# Altium PCB roach2.PcbDoc (part 2 of 39) (continued)
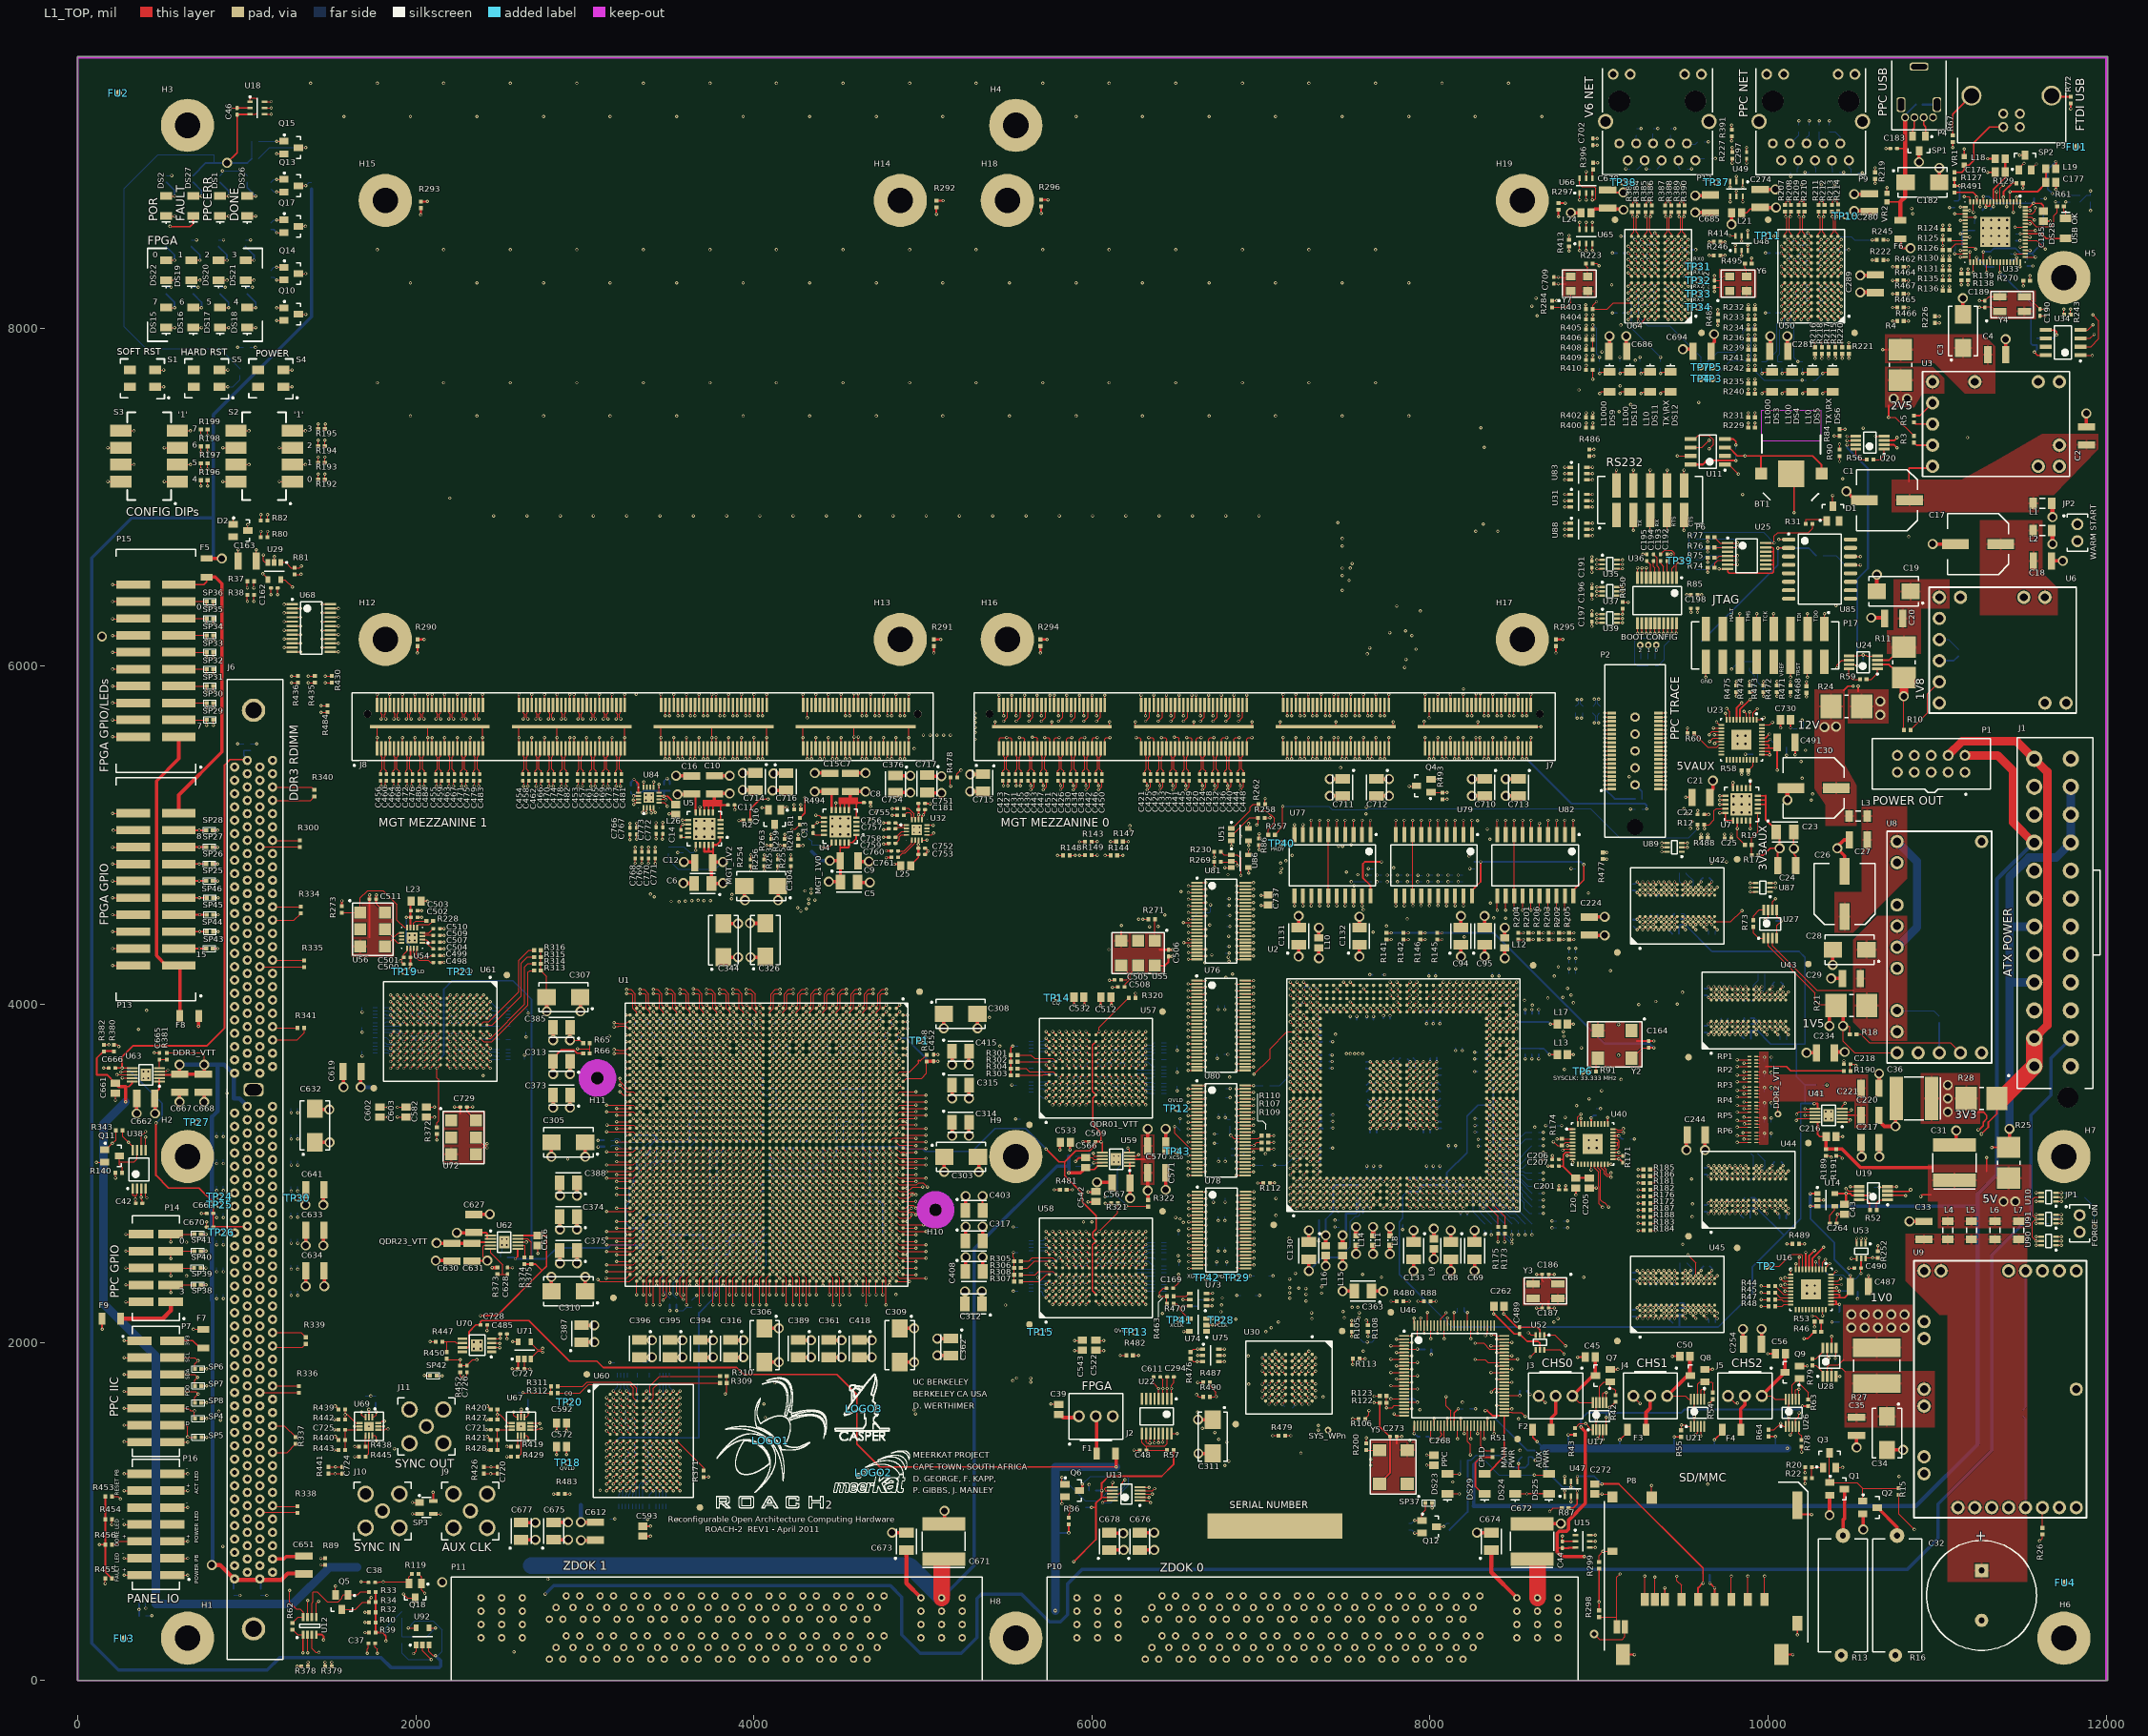
[diagram p0: L1_TOP view]
## Components (designator, comment, footprint, x,y, rotation, side; value= is the part's Value field where it differs from the comment) (continued)
C580 "0.1uF" CAPC1005X60L 2007.87,3956.69 r0 bottom
C581 "0.47uF" CAPC1005X55L 3877.95,3897.64 r0 bottom
C582 "4.7uF" CAPC2012X127L 2062.99,3362.99 r90 top
C583 "0.1uF" CAPC1005X60L 3228.35,1555.12 r270 bottom
C584 "0.1uF" CAPC1005X60L 3464.57,1279.53 r90 bottom
C585 "0.1uF" CAPC1005X60L 3268.7,1318.9 r90 bottom
C586 "0.1uF" CAPC1005X60L 3228.35,1279.53 r90 bottom
C587 "0.1uF" CAPC1005X60L 3404.53,1418.31 r0 bottom
C588 "0.1uF" CAPC1005X60L 3405.51,1456.69 r0 bottom
C589 "0.1uF" CAPC1005X60L 3464.57,1555.12 r270 bottom
C590 "0.1uF" CAPC1005X60L 3267.72,1515.75 r270 bottom
C591 "0.47uF" CAPC1005X55L 3542.31,3720.47 r270 bottom
C592 "4.7uF" CAPC2012X127L 2862.99,1522.99 r0 top
C593 "4.7uF" CAPC2012X127L 3342.99,882.99 r270 top
C594 "0.1uF" CAPC1005X60L 2066.93,3858.27 r90 bottom
C595 "0.1uF" CAPC1005X60L 2244.09,3799.21 r180 bottom
C596 "0.1uF" CAPC1005X60L 2263.78,3858.27 r90 bottom
C597 "0.1uF" CAPC1005X60L 2224.41,3858.27 r90 bottom
C598 "0.1uF" CAPC1005X60L 2086.61,3799.21 r0 bottom
C599 "0.1uF" CAPC1005X60L 2008.86,3798.23 r0 bottom
C600 "0.1uF" CAPC1005X60L 2106.3,3858.27 r90 bottom
C601 "0.47uF" CAPC1005X55L 3620.05,3718.97 r270 bottom
C602 "4.7uF" CAPC2012X127L 1787.99,3362.99 r90 top
C603 "4.7uF" CAPC2012X127L 1942.99,3362.99 r90 top
C604 "0.1uF" CAPC1005X60L 3386.81,1358.27 r90 bottom
C605 "0.1uF" CAPC1005X60L 3385.83,1278.54 r90 bottom
C606 "0.1uF" CAPC1005X60L 3326.77,1338.58 r180 bottom
C607 "0.1uF" CAPC1005X60L 3326.77,1376.97 r180 bottom
C608 "0.1uF" CAPC1005X60L 3385.83,1515.75 r270 bottom
C609 "0.1uF" CAPC1005X60L 3326.77,1496.06 r180 bottom
C610 "0.1uF" CAPC1005X60L 3326.77,1535.43 r180 bottom
C611 "1000pF" CAPC1005X55L 6385,1795 r0 top
C612 "10uF" CAPC3225X200L 3062.99,882.99 r90 top
C613 "0.47uF" CAPC1005X55L 3532.99,1862.99 r270 bottom
C614 "0.47uF" CAPC1005X55L 3172.99,1862.99 r270 bottom
C615 "0.47uF" CAPC1005X55L 3342.99,972.99 r90 bottom
C616 "0.47uF" CAPC1005X55L 3342.99,1862.99 r270 bottom
C617 "0.47uF" CAPC1005X55L 3522.99,972.99 r90 bottom
C618 "0.47uF" CAPC1005X55L 3149.55,975.18 r90 bottom
C619 "10uF" CAPC3225X200L 1622.99,3602.99 r0 top
C620 "0.47uF" CAPC1005X55L 1702.99,3722.99 r0 bottom
C621 "0.47uF" CAPC1005X55L 1702.99,3862.99 r0 bottom
C622 "0.47uF" CAPC1005X55L 1702.99,3982.99 r0 bottom
C623 "0.47uF" CAPC1005X55L 2622.99,3672.99 r180 bottom
C624 "0.47uF" CAPC1005X55L 2632.99,3832.99 r180 bottom
C625 "0.47uF" CAPC1005X55L 2632.99,3972.99 r180 bottom
C626 "4.7uF" CAPC2012X127L 2722.99,2602.99 r90 top
C627 "10uF" CAPC3225X200L 2342.99,2702.99 r270 top
C628 "1000pF" CAPC1005X55L 2542.99,2422.99 r270 top
C629 "0.1uF" CAPC1005X60L 2522.99,2502.99 r0 bottom
C630 "10uF" CAPC3225X200L 2212.99,2532.99 r90 top
C631 "10uF" CAPC3225X200L 2332.99,2532.99 r90 top
C632 "330uF" CAPMP7343X280L 1402.99,3282.99 r90 top
C633 "10uF" CAPC3225X200L 1402.99,2662.99 r180 top
C634 "10uF" CAPC3225X200L 1402.99,2422.99 r180 top
C635 "0.1uF" CAPC1005X60L 842.99,2442.99 r0 bottom
C636 "0.1uF" CAPC1005X60L 842.99,2282.99 r0 bottom
C637 "0.1uF" CAPC1005X60L 842.99,3082.99 r0 bottom
C638 "0.1uF" CAPC1005X60L 842.99,2922.99 r0 bottom
C639 "0.1uF" CAPC1005X60L 842.99,3242.99 r0 bottom
C640 "0.1uF" CAPC1005X60L 842.99,2602.99 r0 bottom
C641 "10uF" CAPC3225X200L 1402.99,2902.99 r180 top
C642 "0.1uF" CAPC1005X60L 842.99,2762.99 r0 bottom
C643 "0.1uF" CAPC1005X60L 1282.99,3382.99 r180 bottom
C644 "0.1uF" CAPC1005X60L 1282.99,3228.71 r180 bottom
C645 "0.1uF" CAPC1005X60L 1282.99,3074.42 r180 bottom
C646 "0.1uF" CAPC1005X60L 1282.99,2920.13 r180 bottom
C647 "0.1uF" CAPC1005X60L 1282.99,2765.85 r180 bottom
C648 "0.1uF" CAPC1005X60L 1282.99,2611.56 r180 bottom
C649 "0.1uF" CAPC1005X60L 1282.99,2457.28 r180 bottom
C650 "0.1uF" CAPC1005X60L 1282.99,2302.99 r180 bottom
C651 "10uF" CAPC3225X200L 1337.99,682.99 r270 top
C652 "0.1uF" CAPC1005X60L 902.99,3442.99 r0 bottom
C653 "0.1uF" CAPC1005X60L 902.99,3502.99 r0 bottom
C654 "0.1uF" CAPC1005X60L 922.99,522.99 r90 bottom
C655 "0.1uF" CAPC1005X60L 1082.99,522.99 r90 bottom
C661 "4.7uF" CAPC2012X127L 222.99,3502.99 r90 top
C662 "10uF" CAPC3225X200L 402.99,3442.99 r0 top
C663 "0.01uF" CAPC1005X55L 1022.99,5521.34 r270 bottom
C664 "0.1uF" CAPC1005X60L 982.99,5521.34 r270 bottom
C665 "1000pF" CAPC1005X55L 482.99,3692.99 r270 top
C666 "0.1uF" CAPC1005X60L 202.99,3622.99 r0 top
C667 "10uF" CAPC3225X200L 602.99,3532.99 r90 top
C668 "10uF" CAPC3225X200L 742.99,3532.99 r90 top
C669 "0.01uF" CAPC1005X55L 782.99,2762.99 r0 top
C670 "0.1uF" CAPC1005X60L 782.99,2682.99 r0 top
C671 "330uF" CAPMP7263X380L 5122.99,822.99 r90 top
C672 "330uF" CAPMP7263X380L 8602.99,822.99 r90 top
C673 "100uF" CAPMP3528X210L 4902.99,822.99 r90 top
C674 "100uF" CAPMP3528X210L 8362.99,822.99 r90 top
C675 "100uF" CAPMP3528X210L 2815.99,883.99 r90 top
C676 "100uF" CAPMP3528X210L 6282.99,822.99 r90 top
C677 "100uF" CAPMP3528X210L 2622.99,882.99 r90 top
C678 "100uF" CAPMP3528X210L 6102.99,822.99 r90 top
C679 "10uF" CAPC3225X200L 9050.99,8763.99 r270 top
C680 "1000pF" CAPC1005X55L 9173.23,8544.29 r0 bottom
C681 "0.1uF" CAPC1005X60L 9389.76,8484.25 r90 bottom
C682 "0.1uF" CAPC1005X60L 9429.13,8484.25 r90 bottom
C683 "0.1uF" CAPC1005X60L 9251.97,8503.94 r180 bottom
C684 "0.1uF" CAPC1005X60L 9311.02,8523.62 r90 bottom
C685 "10uF" CAPC3225X200L 9658.99,8734.99 r270 top
C686 "10uF" CAPC3225X200L 9110.99,7862.99 r0 top
C687 "0.1uF" CAPC1005X60L 9122.05,8090.55 r0 bottom
C688 "0.1uF" CAPC1005X60L 9291.34,8267.72 r180 bottom
C689 "0.1uF" CAPC1005X60L 9527.56,8464.57 r180 bottom
C690 "0.1uF" CAPC1005X60L 9125.98,8444.88 r0 bottom
C691 "0.1uF" CAPC1005X60L 9251.97,8425.2 r180 bottom
C692 "0.1uF" CAPC1005X60L 9389.76,8129.92 r270 bottom
C693 "0.1uF" CAPC1005X60L 9448.82,8149.61 r0 bottom
C694 "10uF" CAPC3225X200L 9608.99,7862.99 r180 top
C695 "0.1uF" CAPC1005X60L 9291.34,8228.35 r180 bottom
C696 "0.1uF" CAPC1005X60L 9409.45,8385.83 r0 bottom
C697 "0.1uF" CAPC1005X60L 9409.45,8228.35 r0 bottom
C698 "0.1uF" CAPC1005X60L 9291.34,8188.98 r180 bottom
C699 "0.1uF" CAPC1005X60L 9291.34,8149.61 r180 bottom
C700 "0.1uF" CAPC1005X60L 9291.34,8385.83 r180 bottom
C702 "0.1uF" CAPC1005X60L 8962.99,9102.99 r270 top
C703 "0.01uF" CAPC1005X55L 8962.99,5742.99 r90 bottom
C704 "0.01uF" CAPC1005X55L 9002.99,5742.99 r90 bottom
C705 "0.01uF" CAPC1005X55L 9212.99,8799.99 r90 bottom
C706 "0.01uF" CAPC1005X55L 9292.99,8801.99 r90 bottom
C707 "0.01uF" CAPC1005X55L 9408.99,8801.99 r90 bottom
C708 "0.01uF" CAPC1005X55L 9488.99,8801.99 r90 bottom
C709 "0.1uF" CAPC1005X60L 8732.99,8282.99 r90 top
C710 "47uF" CAPMP3528X120L 8322.99,5282.99 r270 top
C711 "47uF" CAPMP3528X120L 7482.99,5282.99 r270 top
C712 "47uF" CAPMP3528X120L 7682.99,5282.99 r270 top
C713 "47uF" CAPMP3528X120L 8522.99,5282.99 r270 top
C714 "47uF" CAPMP3528X120L 4008.99,5317.99 r270 top
C715 "47uF" CAPMP3528X120L 5354.99,5309.99 r270 top
C716 "47uF" CAPMP3528X120L 4190.99,5315.99 r270 top
C717 "47uF" CAPMP3528X120L 5024.99,5304.99 r270 top
C718 "0.01uF" CAPC1005X55L 2602.99,1682.99 r270 bottom
C719 "0.01uF" CAPC1005X55L 2662.99,1682.99 r270 bottom
C720 "0.01uF" CAPC1005X55L 2482.99,1242.99 r270 top
C721 "0.1uF" CAPC1005X60L 2462.99,1482.99 r0 top
C722 "0.01uF" CAPC1005X55L 1702.99,1662.99 r270 bottom
C723 "0.01uF" CAPC1005X55L 1762.99,1662.99 r270 bottom
C724 "0.01uF" CAPC1005X55L 1562.99,1242.99 r270 top
C725 "0.1uF" CAPC1005X60L 1562.99,1482.99 r0 top
C726 "22pF" CAPC1005X55L 2302.99,1842.99 r90 top
C727 "0.1uF" CAPC1005X60L 2622.99,1842.99 r180 top
C728 "0.1uF" CAPC1005X60L 2402.99,2102.99 r180 top
C729 "0.1uF" CAPC1005X60L 2282.99,3392.99 r0 top
C730 "4.7uF" CAPC2012X127L 10102.99,5682.99 r0 top
C731 "0.1uF" CAPC1005X60L 10190,5630 r180 bottom
C732 "0.1uF" CAPC1005X60L 7662.99,4822.99 r90 bottom
C733 "4.7uF" CAPC2012X127L 6923.99,2278.99 r0 bottom
C734 "0.1uF" CAPC1005X60L 6766.65,2744.24 r180 bottom
C735 "4.7uF" CAPC2012X127L 7003.94,2393.7 r180 bottom
C736 "0.1uF" CAPC1005X60L 6766.65,2564.24 r180 bottom
C737 "4.7uF" CAPC2012X127L 7043.31,4618.11 r90 top
C738 "0.1uF" CAPC1005X60L 6766.55,3992.99 r0 bottom
C739 "4.7uF" CAPC2012X127L 6769.89,3477.09 r90 bottom
C740 "0.1uF" CAPC1005X60L 6760.39,3703.99 r180 bottom
C741 "0.1uF" CAPC1005X60L 8262.99,4822.99 r90 bottom
C742 "4.7uF" CAPC2012X127L 6746.72,2870.14 r0 bottom
C743 "0.1uF" CAPC1005X60L 6788.92,4605.54 r270 bottom
C744 "0.1uF" CAPC1005X60L 8862.99,4822.99 r90 bottom
C745 "4.7uF" CAPC2012X127L 6770.35,2433.13 r0 bottom
C746 "0.1uF" CAPC1005X60L 6789.07,4324.45 r270 bottom
C747 "4.7uF" CAPC2012X127L 6772.99,4493.99 r90 bottom
C748 "0.1uF" CAPC1005X60L 6768.55,3354.01 r0 bottom
C749 "4.7uF" CAPC2012X127L 6767.25,3201.88 r90 bottom
C750 "0.1uF" CAPC1005X60L 6768.55,3094.01 r180 bottom
C751 "1000pF" CAPC1005X55L 4992.99,5187.99 r180 top
C752 "0.1uF" CAPC1005X60L 4992.99,4922.99 r180 top
C753 "1000pF" CAPC1005X55L 4992.99,4887.99 r180 top
C754 "0.01uF" CAPC1005X55L 4867.99,5157.99 r180 top
C755 "0.01uF" CAPC1005X55L 4867.99,5117.99 r180 top
C756 "0.01uF" CAPC1005X55L 4817.99,5072.99 r180 top
C757 "0.01uF" CAPC1005X55L 4817.99,5037.99 r180 top
C758 "0.01uF" CAPC1005X55L 4817.99,4987.99 r180 top
C759 "0.01uF" CAPC1005X55L 4817.99,4952.99 r180 top
C760 "0.01uF" CAPC1005X55L 4832.99,4907.99 r180 top
C761 "0.01uF" CAPC1005X55L 4832.99,4869.99 r180 top
C762 "0.1uF" CAPC1005X60L 3467.99,5282.99 r270 bottom
C763 "1000pF" CAPC1005X55L 3501.99,5282.99 r270 bottom
C764 "0.1uF" CAPC1005X60L 3307.99,5277.99 r270 bottom
C765 "1000pF" CAPC1005X55L 3272.99,5277.99 r270 bottom
C766 "0.01uF" CAPC1005X55L 3266.99,5024.99 r270 top
C767 "0.01uF" CAPC1005X55L 3306.99,5024.99 r270 top
C768 "0.01uF" CAPC1005X55L 3297.99,4882.99 r270 top
C769 "0.01uF" CAPC1005X55L 3337.99,4882.99 r270 top
C770 "0.01uF" CAPC1005X55L 3376.99,4882.99 r270 top
C771 "0.01uF" CAPC1005X55L 3416.99,4882.99 r270 top
C772 "0.01uF" CAPC1005X55L 3460.99,5027.99 r270 top
C773 "0.01uF" CAPC1005X55L 3420.99,5027.99 r270 top
C774 "0.1uF" CAPC1005X60L 6002.99,1122.99 r0 bottom
C775 "0.1uF" CAPC1005X60L 9809.21,7262.99 r270 bottom
C776 "0.1uF" CAPC1005X60L 10304.65,6654.8 r180 bottom
C777 "0.1uF" CAPC1005X60L 8952.99,1562.99 r90 bottom
C778 "0.1uF" CAPC1005X60L 9537.99,1582.99 r90 bottom
C779 "0.1uF" CAPC1005X60L 10092.99,1582.99 r90 bottom
D1 "BAS21" SOT95P245X110-3N 10382.99,6902.99 r90 top
D2 "BAS21" SOT95P245X110-3N 962.99,6802.99 r0 top
DS1 "SML-LX1206IC-TR" LEDC3216X120N 842.99,8722.99 r90 top
DS2 "SML-LX1206IC-TR" LEDC3216X120N 522.99,8722.99 r90 top
DS3 "SML-LX1206GC-TR" LEDC3216X120N 10022.99,7682.99 r270 top
DS4 "SML-LX1206GC-TR" LEDC3216X120N 10142.99,7682.99 r270 top
DS5 "SML-LX1206GC-TR" LEDC3216X120N 10262.99,7682.99 r270 top
DS6 "SML-LX1206GC-TR" LEDC3216X120N 10382.99,7682.99 r270 top
DS9 "SML-LX1206GC-TR" LEDC3216X120N 9062.99,7682.99 r270 top
DS10 "SML-LX1206GC-TR" LEDC3216X120N 9182.99,7682.99 r270 top
DS11 "SML-LX1206GC-TR" LEDC3216X120N 9302.99,7682.99 r270 top
DS12 "SML-LX1206GC-TR" LEDC3216X120N 9422.99,7682.99 r270 top
DS15 "SML-LX1206GC-TR" LEDC3216X120N 522.99,8062.99 r90 top
DS16 "SML-LX1206GC-TR" LEDC3216X120N 682.99,8062.99 r90 top
DS17 "SML-LX1206GC-TR" LEDC3216X120N 842.99,8062.99 r90 top
DS18 "SML-LX1206GC-TR" LEDC3216X120N 1002.99,8062.99 r90 top
DS19 "SML-LX1206GC-TR" LEDC3216X120N 672.99,8342.99 r90 top
DS20 "SML-LX1206GC-TR" LEDC3216X120N 832.99,8342.99 r90 top
DS21 "SML-LX1206GC-TR" LEDC3216X120N 992.99,8342.99 r90 top
DS22 "SML-LX1206GC-TR" LEDC3216X120N 522.99,8342.99 r90 top
DS23 "SML-LX1206GC-TR" LEDC3216X120N 8102.99,1162.99 r90 top
DS24 "SML-LX1206GC-TR" LEDC3216X120N 8502.99,1162.99 r90 top
DS25 "SML-LX1206GC-TR" LEDC3216X120N 8702.99,1162.99 r90 top
DS26 "SML-LX1206IC-TR" LEDC3216X120N 1002.99,8722.99 r90 top
DS27 "SML-LX1206IC-TR" LEDC3216X120N 682.99,8722.99 r90 top
DS28 "SML-LX1206IC-TR" LEDC3216X120N 11760.41,8590 r270 top
DS29 "SML-LX1206GC-TR" LEDC3216X120N 8322.99,1162.99 r90 top
F1 "1206L050-C" FUSMC3215X145 6082.99,1342.99 r180 top
F2 "1206L050-C" FUSMC3215X145 8662.99,1482.99 r0 top
F3 "1206L050-C" FUSMC3215X145 9222.99,1482.99 r0 top
F4 "1206L050-C" FUSMC3215X145 9782.99,1482.99 r0 top
F5 "1206L050-C" FUSMC3215X145 762.99,6582.99 r270 top
F6 "1206L050-C" FUSMC3215X145 10782.99,8582.99 r270 top
F7 "1206L050-C" FUSMC3215X145 742.99,2022.68 r90 top
F8 "1206L050-C" FUSMC3215X145 660,3930 r180 top
F9 "1206L050-C" FUSMC3215X145 200,2140 r180 top
FU1 "FIDUCIAL" FIDUCIAL_1MM 11826.49,9072.49 r0 top
FU2 "FIDUCIAL" FIDUCIAL_1MM 241.99,9390.99 r90 top
FU3 "FIDUCIAL" FIDUCIAL_1MM 275.99,246.99 r90 top
FU4 "FIDUCIAL" FIDUCIAL_1MM 11757.99,576.99 r90 top
H1 "MH_ATX" MH_ATX 650,250 r0 top locked
H2 "MH_ATX" MH_ATX 650,3100 r0 top locked
H3 "MH_ATX" MH_ATX 650,9200 r0 top locked
H4 "MH_ATX" MH_ATX 5550,9200 r0 top locked
H5 "MH_ATX" MH_ATX 11750,8300 r0 top locked
H6 "MH_ATX" MH_ATX 11750,250 r0 top locked
H7 "MH_ATX" MH_ATX 11750,3100 r0 top locked
H8 "MH_ATX" MH_ATX 5550,250 r0 top locked
H9 "MH_ATX" MH_ATX 5550,3100 r0 top locked
H10 "MH_NC" MH_FANATX 5074.8,2783.86 r0 top locked
H11 "MH_NC" MH_FANATX 3074.8,3563.39 r0 top locked
H12 "MH_ATX" MH_ATX 1819.76,6158.74 r0 top
H13 "MH_ATX" MH_ATX 4866.22,6158.74 r0 top
H14 "MH_ATX" MH_ATX 4866.22,8755.98 r0 top
H15 "MH_ATX" MH_ATX 1819.76,8755.98 r0 top
H16 "MH_ATX" MH_ATX 5499.76,6158.74 r0 top
H17 "MH_ATX" MH_ATX 8546.22,6158.74 r0 top
H18 "MH_ATX" MH_ATX 5499.76,8755.98 r0 top
H19 "MH_ATX" MH_ATX 8546.22,8755.98 r0 top
J1 "0442060007" MOLEX_0442060007 11682.99,4542.99 r90 top locked
J2 "0022232031" MOLEX_0022232031 6022.99,1562.99 r0 top
J3 "0022232031" MOLEX_0022232031 8742.99,1682.99 r180 top locked
J4 "0022232031" MOLEX_0022232031 9302.99,1682.99 r180 top
J5 "0022232031" MOLEX_0022232031 9862.99,1682.99 r180 top
J6 "1932000-1" TYCO_1932000-1 1002.99,5442.99 r270 top locked
J7 "QMSS-064-06_75-L-D-A-DP" SAMTEC_QMSS-064-06_75-L-D-A-DP 7022.99,5642.99 r0 top locked
J8 "QMSS-064-06_75-L-D-A-DP" SAMTEC_QMSS-064-06_75-L-D-A-DP 3342.99,5642.99 r0 top locked
J9 "132136" AMPHENOL_132134 2322.99,1002.99 r0 top locked
J10 "132136" AMPHENOL_132134 1802.99,1002.99 r0 top locked
J11 "132136" AMPHENOL_132134 2062.99,1502.99 r0 top
JP1 "0022032021" MOLEX_0022032021 11842.99,2702.99 r270 top
JP2 "0022032021" MOLEX_0022032021 11830,6790 r270 top
L1 "120R" INDC3216X130L 11622.99,6962.99 r180 top
L2 "120R" INDC3216X130L 11622.99,6802.99 r180 top
L3 "120R" INDC3216X130L 10532.99,5112.99 r0 top
L4 "120R" INDC3216X130L 11062.99,2662.99 r270 top
L5 "120R" INDC3216X130L 11202.99,2662.99 r270 top
L6 "120R" INDC3216X130L 11342.99,2662.99 r270 top
L7 "120R" INDC3216X130L 11482.99,2662.99 r270 top
L8 "180R" INDC1608X130L 7762.99,2602.99 r90 top
L9 "600R" INDC2012X130L 8022.99,2582.99 r90 top
L10 "600R" INDC2012X130L 7342.99,4362.99 r270 top
L11 "180R" INDC1608X130L 7662.99,2602.99 r90 top
L12 "600R" INDC2012X130L 8442.99,4362.99 r270 top
L13 "600R" INDC2012X130L 8782.99,3702.99 r0 top
L14 "180R" INDC1608X130L 7562.99,2602.99 r90 top
L15 "600R" INDC2012X130L 7482.99,2542.99 r90 top
L16 "600R" INDC2012X130L 7382.99,2542.99 r270 top
L17 "600R" INDC2012X130L 8782.99,3882.99 r180 top
L18 "600R" INDC2012X130L 11372.99,9002.68 r0 top
L19 "600R" INDC2012X130L 11672.99,8943.31 r180 top
L20 "600R" INDC2012X130L 8862.99,2942.99 r90 top
L21 "600R" INDC2012X130L 9812.99,8682.99 r0 top
L23 "600R" INDC2012X130L 2002.99,4611.31 r180 top
L24 "600R" INDC2012X130L 8922.99,8682.99 r0 top
L25 "600R" INDC2012X130L 4897.99,4818.99 r180 top
L26 "600R" INDC2012X130L 3538.99,5151.99 r270 top
LOGO1 "ROACH 2 Logo" ROACH2_LOGO 4097.99,1417.99 r0 top locked
LOGO2 "MeerKAT Logo" MEERKAT_LOGO 4707.99,1227.99 r0 top locked
LOGO3 "CASPER Logo" CASPER_LOGO 4652.99,1607.99 r0 top locked
P1 "8510-4500PL" 3M_8510-4500PL 10964.88,5422.99 r0 top locked
P2 "5767054-1" TYCO_5767054-1 9212.99,5498.99 r270 top locked
P3 "67068-8001" MOLEX_67068-8001 11440,9230 r180 top locked
P4 "USB_TYPEA_TYCO" MOLEX_0894858001 10892.99,9322.99 r180 top
P6 "015912100" MOLEX_0015912100 9302.99,6982.99 r0 top locked
P7 "TSM-107-01-TM-DV-P" SAMTEC_TSM-107-01-TM-DV-P 462.99,1710 r270 top locked
P8 "5035000991" MOLEX_5035000991 9635,480 r180 top locked
P9 "HFJ11-1G02E-L55" HALO_HFJ11-1G02E-L55 10252.99,9342.99 r180 top locked
P10 "6367550-5" TYCO_6367550-5 7304.96,362.2 r0 top locked
P11 "6367550-5" TYCO_6367550-5 3779.96,362.2 r0 top locked
P12 "HFJ11-1G02E-L55" HALO_HFJ11-1G02E-L55 9344.99,9342.99 r180 top
P13 "N2520-6V0C-RB-WE" 3M_N2520-6V0C-RB-WE 462.99,4680 r90 top
P14 "015912100" MOLEX_0015912100 462.99,2440 r90 top
P15 "N2520-6V0C-RB-WE" 3M_N2520-6V0C-RB-WE 462.99,6032.99 r90 top locked
P16 "TSM-107-01-TM-DV-P" SAMTEC_TSM-107-01-TM-DV-P 462.99,922.99 r90 top locked
P17 "TSM-108-01-TM-DV-P" SAMTEC_TSM-108-01-TM-DV-P 9982.99,6122.99 r180 top locked
Q1 "NDS331N" SOT95P245X110-3N 10407.99,1132.99 r0 top
Q2 "NDS331N" SOT95P245X110-3N 10602.99,1022.99 r0 top
Q3 "BSS138" SOT95P245X110-3N 10362.99,1302.99 r90 top
Q4 "BSS138" SOT95P245X110-3N 7962.99,5292.99 r180 top
Q5 "BSS138" SOT95P245X110-3N 1562.99,462.99 r270 top
Q6 "NDS331N" SOT95P245X110-3N 5882.99,1122.99 r0 top
Q7 "NDS331N" SOT95P245X110-3N 9022.99,1802.99 r180 top locked
Q8 "NDS331N" SOT95P245X110-3N 9582.99,1802.99 r180 top
Q9 "NDS331N" SOT95P245X110-3N 10142.99,1822.99 r180 top
Q10 "BSS138" SOT95P245X110-3N 1262.99,8082.99 r0 top
Q11 "BSS138" SOT95P245X110-3N 202.99,3102.99 r0 top
Q12 "BSS138" SOT95P245X110-3N 7995.43,909.57 r0 top
Q13 "BSS138" SOT95P245X110-3N 1262.99,8842.99 r0 top
Q14 "BSS138" SOT95P245X110-3N 1262.99,8322.99 r0 top
Q15 "BSS138" SOT95P245X110-3N 1262.99,9068.49 r0 top
Q16 "BSS138" SOT95P245X110-3N 4122.99,5107.99 r270 top
Q17 "BSS138" SOT95P245X110-3N 1262.99,8602.99 r0 top
Q18 "BSS138" SOT95P245X110-3N 1997,530 r270 top
R1 "10K" RESC1005X40L 4272.99,5082.99 r90 top
R2 "10K" RESC1005X40L 3957.99,5087.99 r0 top
R3 "ResStd" RESC1005X40L 10862.99,7342.99 r90 top
R4 "0R005" RESC6332X90M 10782.99,7782.99 r270 top
R5 "2K37" RESC1005X40L 10862.99,7462.99 r270 top
R6 "1K13" RESC1005X40L 4342.99,4922.99 r270 bottom
R7 "2K49" RESC1005X40L 3494.99,4912.99 r270 bottom
R8 "4K53" RESC1005X40L 4322.99,5002.99 r270 bottom
R9 "4K99" RESC1005X40L 3601.99,4897.99 r0 bottom
R10 "ResStd" RESC1005X40L 10822.99,5622.99 r180 top
R11 "0R002" RESC6332X90M 10802.99,6022.99 r270 top
R12 "10K" RESC1005X40L 9602.99,5062.99 r180 top
R13 "10R" VISHAY_AC5 10442.99,502.99 r270 top locked
R14 "4K75" RESC1005X40L 11126,6080 r270 bottom
R15 "10K" RESC1005X40L 10772.99,1117.99 r270 top
R16 "56R" VISHAY_AC5 10762.99,502.99 r270 top locked
R17 "3K75" RESC1005X40L 9922.99,4882.99 r0 top
R18 "ResStd" RESC1005X40L 10502.99,3822.99 r180 top
R19 "1K15" RESC1005X40L 9882.99,4942.99 r0 top
R20 "0R" RESC1005X40L 10238.99,1261.18 r180 top
R21 "0R001" RESC6332X90M 10492.99,3992.99 r180 top
R22 "10K" RESC1005X40L 10238.99,1196.99 r0 top
R23 "19K6" RESC1005X40L 11012,3910 r270 bottom
R24 "0R005" RESC6332X90M 10462.99,5762.99 r180 top
R25 "0R002" RESC6332X90M 11422.99,3062.99 r270 top
R26 "ResStd" RESC1005X40L 11622.99,882.99 r270 top
R27 "0R00025" RESC6867X140M 10642.99,1862.99 r90 top
R28 "0R002" RESC6332X90M 11262.99,3442.99 r180 top
R29 "63K4" RESC1005X40L 11509,1582 r270 bottom
R30 "10K" RESC1005X40L 11660,2720 r270 bottom
R31 "1K" RESC1005X40L 10242.99,6842.99 r0 top
R32 "10K" RESC1005X40L 1742.99,402.99 r0 top
R33 "63K4" RESC1005X40L 1742.99,522.99 r0 top
R34 "10K" RESC1005X40L 1742.99,462.99 r0 top
R35 "10K" RESC1005X40L 5962.99,1042.99 r270 bottom
R36 "10K" RESC1005X40L 5862.99,942.99 r270 top
R37 "17K3" RESC1005X40L 1022.99,6502.99 r180 top
R38 "19K6" RESC1005X40L 1022.99,6422.99 r0 top
R39 "10K" RESC1005X40L 1742.99,282.99 r0 top
R40 "10K" RESC1005X40L 1742.99,342.99 r0 top
R41 "10K" RESC1005X40L 11850,2860 r180 bottom
R42 "10K" RESC1005X40L 9097.99,1667.99 r270 top
R43 "10K" RESC1005X40L 8857.99,1472.99 r270 top
R44 "0R" RESC1005X40L 10022.99,2332.99 r180 top
R45 "0R" RESC1005X40L 10022.99,2292.99 r180 top
R46 "19K6" RESC1005X40L 10294.8,2062.99 r180 top
R47 "0R" RESC1005X40L 10022.99,2252.99 r180 top
R48 "0R" RESC1005X40L 10022.99,2212.99 r180 top
R49 "3K3" RESC1005X40L 9890,6010 r90 bottom
R50 "3K3" RESC1005X40L 9940,6010 r90 bottom
R51 "200R" RESC1005X40L 8370,1340 r270 top
R52 "200R" RESC1005X40L 10622.99,2782.99 r0 top
R53 "10K" RESC1005X40L 10294.8,2122.99 r180 top
R54 "10K" RESC1005X40L 9672.99,1682.99 r270 top
R55 "10K" RESC1005X40L 9484.99,1460.99 r270 top
R56 "499R" RESC1005X40L 10602.99,7222.99 r0 top
R57 "49R9" RESC1005X40L 6462.99,1362.99 r0 top
R58 "10K" RESC1005X40L 9862.99,5382.99 r180 top
R59 "200R" RESC1005X40L 10562.99,5922.99 r0 top
R60 "0R" RESC1005X40L 9542.99,5602.99 r180 top
R61 "200R" RESC1005X40L 11730,8720 r0 top
R62 "10K" RESC1005X40L 1270,320 r270 top
R63 "10K" RESC1005X40L 10237.99,1642.99 r270 top
R64 "10K" RESC1005X40L 10002.99,1462.99 r270 top
R65 "100R" RESC1005X40L 3010,3770 r180 top
R66 "100R" RESC1005X40L 3010,3710 r0 top
R67 "0R" RESC1005X40L 11093,9121 r90 top
R68 "10K" RESC1005X40L 9552.99,6572.99 r180 bottom
R69 "10K" RESC1005X40L 9552.99,6632.99 r180 bottom
R70 "10K" RESC1005X40L 9552.99,6692.99 r180 bottom
R71 "10K" RESC1005X40L 9552.99,6752.99 r180 bottom
R72 "0R" RESC1005X40L 11790,9350 r90 top
R73 "100R" RESC1005X40L 9912.99,4477.99 r90 top
R74 "0R" RESC1005X40L 9662.99,6582.99 r0 top
R75 "0R" RESC1005X40L 9662.99,6642.99 r0 top
R76 "0R" RESC1005X40L 9662.99,6702.99 r0 top
R77 "0R" RESC1005X40L 9662.99,6762.99 r0 top
R78 "10K" RESC1005X40L 10197.99,1402.99 r90 top
R79 "100R" RESC1005X40L 10262.99,1882.99 r90 top
R80 "ResStd" RESC1005X40L 1102.99,6762.99 r180 top
R81 "3K3" RESC1005X40L 1282.99,6562.99 r270 top
R82 "200R" RESC1005X40L 1102.99,6862.99 r180 top
R83 "200R" RESC1005X40L 842.99,8882.99 r270 bottom
R84 "3K3" RESC1005X40L 10422.99,7382.99 r90 top
R85 "3K3" RESC1005X40L 9562.99,6422.99 r180 top
R86 "3K3" RESC1005X40L 6988.99,4960.99 r90 top
R87 "3K3" RESC1005X40L 8800,1020 r0 top
R88 "3K3" RESC1005X40L 7982.99,2242.99 r0 top
R89 "3K3" RESC1005X40L 1462.99,702.99 r90 top
R90 "3K3" RESC1005X40L 10422.99,7262.99 r90 top
R91 "0R" RESC1005X40L 8962.99,3602.99 r180 top
R92 "3K3" RESC1005X40L 998.99,7886.99 r180 bottom
R93 "1K" RESC1005X40L 7030.99,3047.99 r0 bottom
R94 "200R" RESC1005X40L 525.32,8882.68 r270 bottom
R95 "1K" RESC1005X40L 7032.99,3519.99 r0 bottom
R96 "3K3" RESC1005X40L 9233.99,5155.99 r0 bottom
R97 "3K3" RESC1005X40L 7774.99,4744.99 r90 bottom
R98 "3K3" RESC1005X40L 7714.99,4744.99 r90 bottom
R99 "3K3" RESC1005X40L 7654.99,4744.99 r90 bottom
R100 "3K3" RESC1005X40L 7834.99,4744.99 r90 bottom
R101 "3K3" RESC1005X40L 7954.99,4744.99 r90 bottom
R102 "3K3" RESC1005X40L 7894.99,4744.99 r90 bottom
R103 "3K3" RESC1005X40L 8134.99,4744.99 r90 bottom
R104 "3K3" RESC1005X40L 8074.99,4744.99 r90 bottom
R105 "0R" RESC1005X40L 7537.99,2082.99 r90 top
R106 "3K3" RESC1005X40L 7596.99,1546.99 r0 top
R107 "0R" RESC1005X40L 7022.99,3182.99 r0 top
R108 "0R" RESC1005X40L 7632.99,2082.99 r90 top
R109 "0R" RESC1005X40L 7022.99,3142.99 r0 top
R110 "0R" RESC1005X40L 7022.99,3222.99 r0 top
R111 "1K" RESC1005X40L 8014.99,4744.99 r270 bottom
R112 "0R" RESC1005X40L 7032.99,2942.99 r180 top
R113 "3K3" RESC1005X40L 7562.99,1902.99 r180 top
R114 "49R9" RESC1005X40L 6392.99,3672.99 r0 bottom
R115 "1K" RESC1005X40L 8194.99,4744.99 r270 bottom
R116 "3K3" RESC1005X40L 7582.99,2042.99 r90 bottom
R117 "3K3" RESC1005X40L 6902.99,3137.99 r90 bottom
R118 "3K3" RESC1005X40L 7677.99,2042.99 r90 bottom
R119 "10K" RESC1005X40L 1997,630 r0 top
R120 "3K3" RESC1005X40L 6822.99,3127.99 r90 bottom
R121 "3K3" RESC1005X40L 6817.99,3297.99 r270 bottom
R122 "249R" RESC1005X40L 7722.99,1642.99 r0 top
R123 "200R" RESC1005X40L 7722.99,1682.99 r180 top
R124 "0R" RESC1005X40L 11052.99,8582.99 r180 top
R125 "0R" RESC1005X40L 11052.99,8522.99 r180 top
R126 "0R" RESC1005X40L 11052.99,8462.99 r180 top
R127 "3K3" RESC1005X40L 11102.99,8902.99 r270 top
R128 "3K4" RESC1005X40L 7502.99,2522.99 r270 bottom
R129 "12K" RESC1005X40L 11487.99,8857.99 r180 top
R130 "0R" RESC1005X40L 11052.99,8402.99 r180 top
R131 "0R" RESC1005X40L 11052.99,8342.99 r180 top
R132 "10K" RESC1005X40L 11786.99,8765.99 r90 bottom
R133 "10K" RESC1005X40L 11726.99,8765.99 r90 bottom
R134 "10K" RESC1005X40L 11846.99,8765.99 r90 bottom
R135 "0R" RESC1005X40L 11052.99,8282.99 r180 top
R136 "0R" RESC1005X40L 11052.99,8222.99 r180 top
R137 "3K3" RESC1005X40L 11906.99,8765.99 r270 bottom
R138 "0R" RESC1005X40L 11162.99,8282.99 r0 top
R139 "0R" RESC1005X40L 11162.99,8322.99 r0 top
R140 "1K" RESC1005X40L 242.99,3002.99 r180 top
R141 "1K" RESC1005X40L 7742.99,4402.99 r90 top
R142 "1K" RESC1005X40L 7842.99,4402.99 r90 top
R143 "0R" RESC1005X40L 5978.99,4961.99 r180 top
R144 "0R" RESC1005X40L 6129.99,4880.99 r180 top
R145 "1K" RESC1005X40L 8042.99,4402.99 r90 top
R146 "1K" RESC1005X40L 7942.99,4402.99 r90 top
R147 "0R" RESC1005X40L 6162.99,4962.99 r180 top
R148 "0R" RESC1005X40L 5848.99,4880.99 r180 top
R149 "0R" RESC1005X40L 5978.99,4881.99 r180 top
R150 "10K" RESC1005X40L 9139.99,6359.99 r90 top
R151 "3R3" RESC1005X40L 8602.99,2682.99 r270 bottom
R152 "3R3" RESC1005X40L 8622.99,2802.99 r0 bottom
R153 "3R3" RESC1005X40L 8622.99,2882.99 r0 bottom
R154 "3R3" RESC1005X40L 8622.99,2762.99 r0 bottom
R155 "3R3" RESC1005X40L 8622.99,2962.99 r0 bottom
R156 "3R3" RESC1005X40L 8622.99,2922.99 r0 bottom
R157 "3R3" RESC1005X40L 8622.99,2842.99 r0 bottom
R158 "3R3" RESC1005X40L 8622.99,3122.99 r0 bottom
R159 "3R3" RESC1005X40L 8622.99,3002.99 r0 bottom
R160 "3R3" RESC1005X40L 8622.99,3082.99 r0 bottom
R161 "3R3" RESC1005X40L 8522.99,2682.99 r270 bottom
R162 "3R3" RESC1005X40L 8622.99,3242.99 r0 bottom
R163 "3R3" RESC1005X40L 8622.99,3202.99 r0 bottom
R164 "3R3" RESC1005X40L 8322.99,2682.99 r270 bottom
R165 "3R3" RESC1005X40L 8442.99,2682.99 r270 bottom
R166 "3R3" RESC1005X40L 8482.99,2682.99 r270 bottom
R167 "3R3" RESC1005X40L 8622.99,3162.99 r0 bottom
R168 "3R3" RESC1005X40L 8562.99,2682.99 r270 bottom
R169 "3R3" RESC1005X40L 8362.99,2682.99 r270 bottom
R170 "3R3" RESC1005X40L 8402.99,2682.99 r270 bottom
R171 "10K" RESC1005X40L 9142.99,3082.99 r270 top
R172 "10K" RESC1005X40L 9282.99,2822.99 r0 top
R173 "0R" RESC1005X40L 8442.99,2662.99 r270 top
R174 "100R" RESC1005X40L 8780,3185 r90 top
R175 "0R" RESC1005X40L 8402.99,2662.99 r270 top
R176 "10K" RESC1005X40L 9282.99,2862.99 r0 top
R177 "100R" RESC1005X40L 9496.46,4776.22 r0 bottom
R178 "100R" RESC1005X40L 9962.99,4177.99 r0 bottom
R179 "100R" RESC1005X40L 9917.99,3117.99 r0 bottom
R180 "100R" RESC1005X40L 9500.64,2468.97 r0 bottom
R181 "10K" RESC1005X40L 9282.68,2942.99 r0 top
R182 "10K" RESC1005X40L 9282.99,2902.99 r0 top
R183 "10K" RESC1005X40L 9282.99,2702.99 r0 top
R184 "10K" RESC1005X40L 9282.99,2662.99 r0 top
R185 "10K" RESC1005X40L 9282.68,3022.99 r0 top
R186 "10K" RESC1005X40L 9282.68,2982.99 r0 top
R187 "10K" RESC1005X40L 9282.99,2782.99 r0 top
R188 "10K" RESC1005X40L 9282.99,2742.99 r0 top
R189 "10K" RESC1005X40L 10342.99,3122.99 r90 top
R190 "100R" RESC1005X40L 10467.99,3605.99 r0 top
R191 "10K" RESC1005X40L 10402.99,3122.99 r90 top
R192 "3K3" RESC1005X40L 1442.99,7102.99 r180 top
R193 "3K3" RESC1005X40L 1442.99,7202.99 r180 top
R194 "3K3" RESC1005X40L 1442.99,7302.99 r180 top
R195 "3K3" RESC1005X40L 1442.99,7402.99 r180 top
R196 "3K3" RESC1005X40L 748.99,7100.99 r0 top
R197 "3K3" RESC1005X40L 748.99,7200.99 r0 top
R198 "3K3" RESC1005X40L 748.99,7300.99 r0 top
R199 "3K3" RESC1005X40L 748.99,7400.99 r0 top
R200 "0R" RESC1005X40L 7622.99,1382.99 r90 top
R201 "3R3" RESC1005X40L 8582.99,4402.99 r90 top
R202 "3R3" RESC1005X40L 8762.99,4402.99 r90 top
R203 "3R3" RESC1005X40L 8702.99,4402.99 r90 top
R204 "3R3" RESC1005X40L 8522.99,4402.99 r90 top
R205 "3R3" RESC1005X40L 8822.99,4402.99 r90 top
R206 "3R3" RESC1005X40L 8642.99,4402.99 r90 top
R207 "49R9" RESC1005X40L 10099.99,8709.99 r270 top
R208 "49R9" RESC1005X40L 10135.99,8709.99 r270 top
R209 "49R9" RESC1005X40L 10179.99,8709.99 r270 top
R210 "49R9" RESC1005X40L 10215.99,8709.99 r270 top
R211 "49R9" RESC1005X40L 10297.99,8709.99 r270 top
R212 "49R9" RESC1005X40L 10333.99,8709.99 r270 top